# Altium PCB PCB_Kasli.PCBDOC (part 5 of 16)
Units mm, origin at the board's own origin, x right, y up, seen from the top; angles counter-clockwise.
Board outline 200.3 x 100 mm, 6 copper layers (TopLayer, MidLayer1, MidLayer2, SignalLayer1, Internal Plane 1, BottomLayer), stack 1.528 mm thick; 775 components, 636 nets, 3136 pads, 1724 vias.
Unrouted connection lines stored in the file: 7.
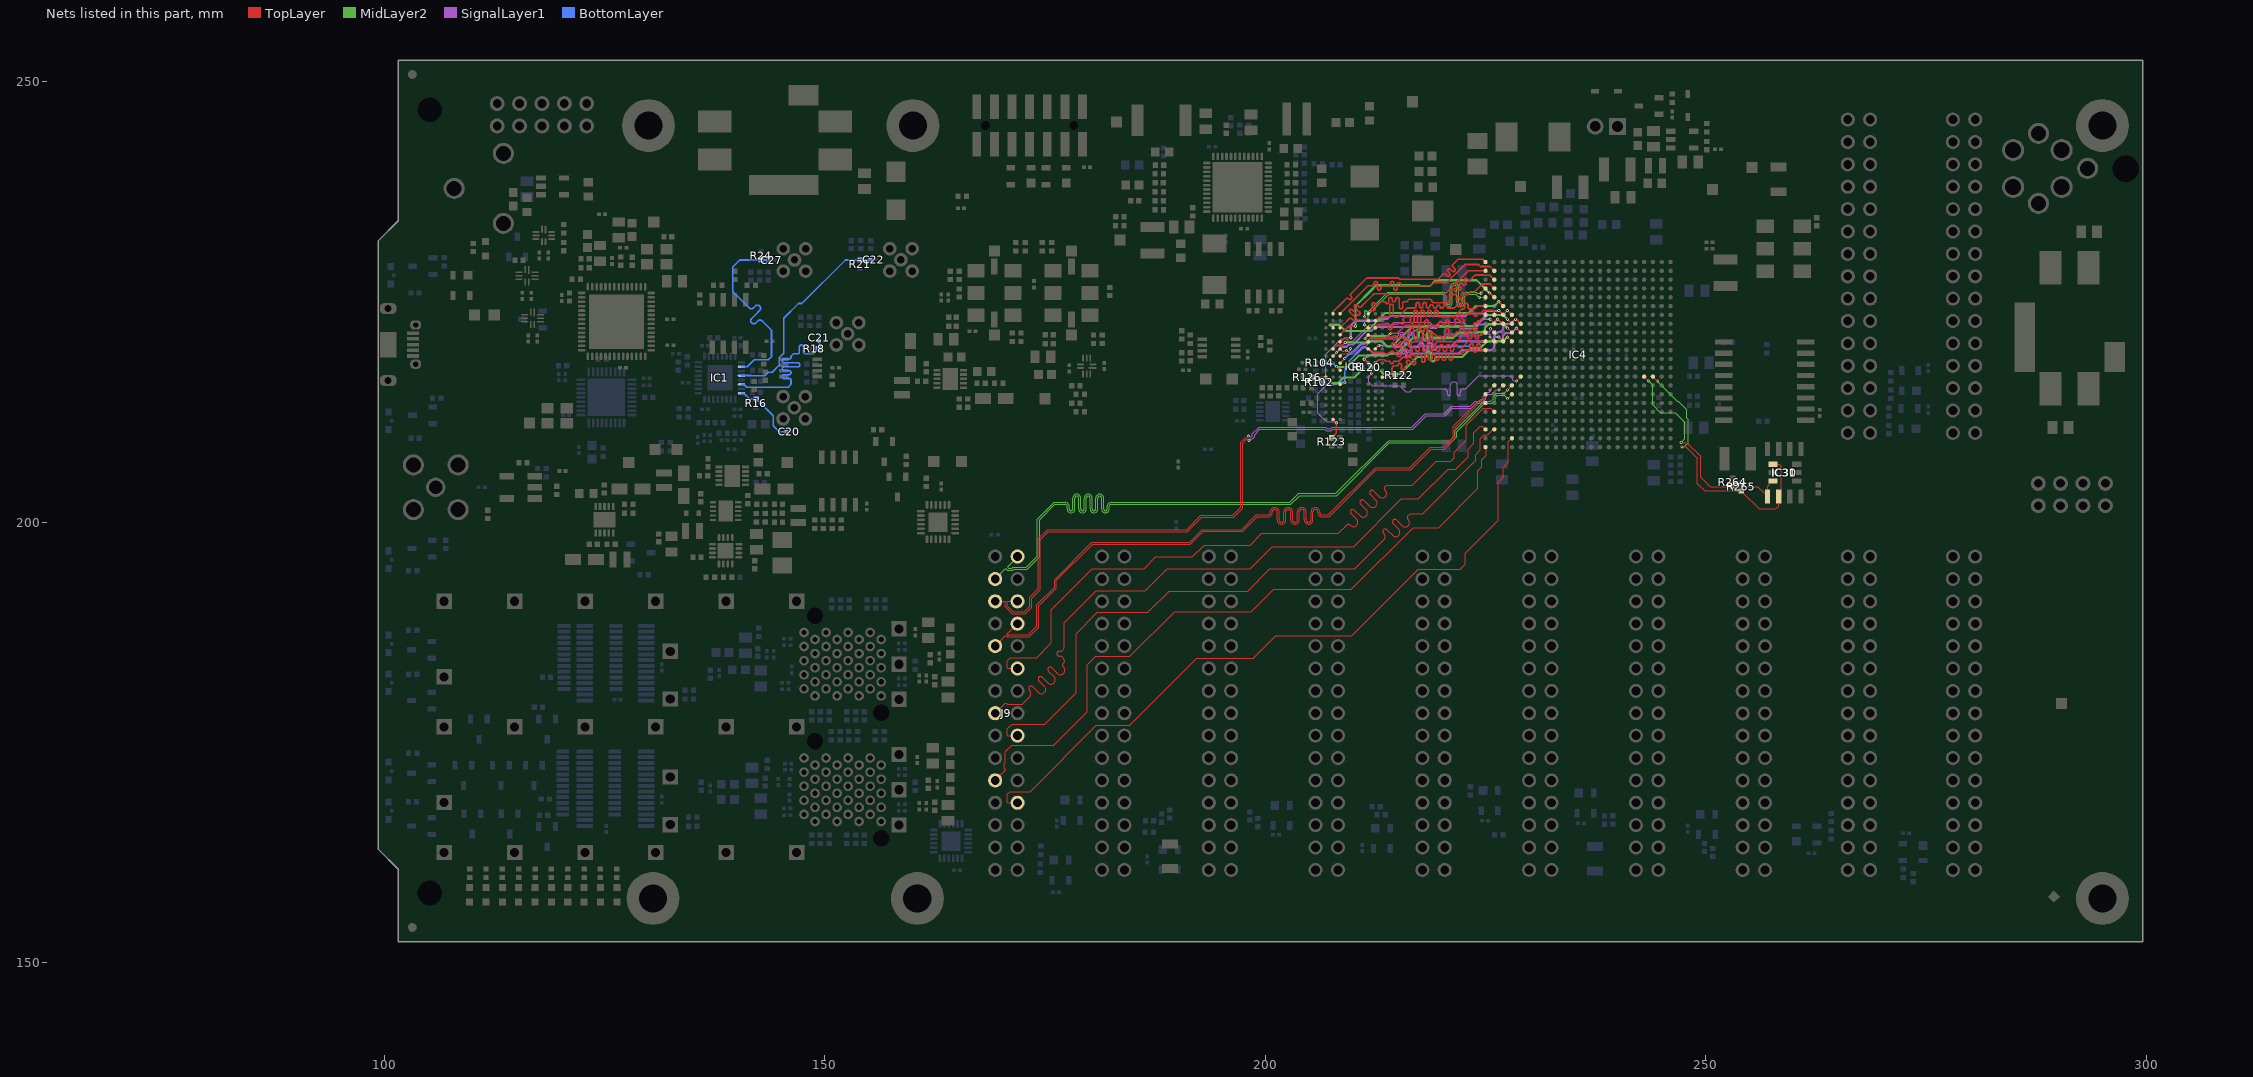
[diagram p9: the nets of this part, all layers, seen from the top]

## Via types
v1: diameter 0.5, hole 0.2, TopLayer to BottomLayer, tented both sides, 845 vias
v2: diameter 0.35, hole 0.15, TopLayer to BottomLayer, tented both sides, 612 vias
v3: diameter 0.8, hole 0.5, TopLayer to BottomLayer, tented both sides, 144 vias
v4: diameter 0.8, hole 0.5, TopLayer to BottomLayer, 66 vias
v5: diameter 0.5, hole 0.2, TopLayer to BottomLayer, 57 vias

## Nets (pads, with @x,y where several pads share a name; then routed paths per layer and width w, separated by ;. In a path a pad name is that pad's centre, name@x,y a point inside that pad or via, vN(x,y) a via of type N, cw(c..) or ccw(c..) an arc to the next point about the centre after c; other vN are vias at no path point) (continued)
DDR3_CK_P: IC4.P5 IC8.J7 R120.2 | length 25.1
  TopLayer w0.095: IC8.J7@211.686,217.249 211.691,217.249 212.065,216.875 v2(212.069,216.875) ; v2(228.491,216.015) IC4.P5@228.991,216.515
  SignalLayer1 w0.115: v2(212.069,216.875) 212.069,216.855 211.767,216.553 211.767,216.214 211.747,216.194 211.747,215.877 212.132,215.491 215.245,215.491 215.915,214.821 216.433,214.821 216.732,215.12 220.3,215.12 cw(c220.3,214.728) 220.692,214.728 220.692,214.502 ccw(c220.85,214.502) 221.007,214.502 221.007,215.503 cw(c221.4,215.503) 221.792,215.503 221.792,214.502 ccw(c221.95,214.502) 222.107,214.502 222.107,214.728 cw(c222.5,214.728) 222.5,215.12 222.732,215.12 222.956,215.344 223.094,215.481 223.95,216.338 224.245,216.632 227.333,216.632 227.869,216.632 228.11,216.391 228.11,216.112 228.178,216.045 228.461,216.045 v2(228.491,216.015)
  BottomLayer w0.095: v2(212.069,216.875) R120.2@212.069,217.52
DDR3_CKE: IC4.L1 IC8.K9 R122.2 | length 25.7
  TopLayer w0.19: IC8.K9@213.286,216.449 214.498,216.449 R122.2@214.724,216.675 214.369,217.03 214.369,217.532 214.588,217.75 214.875,217.75 215.016,217.75 ccw(c215.016,217.804) 215.07,217.804 cw(c215.265,217.804) 215.265,217.999 cw(c215.265,217.804) 215.46,217.804 215.46,217.75 215.46,217.364 ccw(c215.655,217.364) 215.655,217.169 ccw(c215.655,217.364) 215.85,217.364 215.85,217.555 cw(c216.045,217.555) 216.045,217.75 216.095,217.75 ccw(c215.957,217.888) 216.095,218.026 216.081,218.04 cw(c216.219,218.178) 216.081,218.316 cw(c216.219,218.178) 216.357,218.316 216.509,218.164 216.741,217.931 ccw(c216.879,218.069) 217.017,217.931 ccw(c216.879,218.069) 217.017,218.207 216.784,218.44 216.54,218.684 cw(c216.678,218.822) 216.54,218.96 cw(c216.678,218.822) 216.816,218.96 216.922,218.854 ccw(c217.06,218.991) 217.198,218.854 217.285,218.94 217.394,219.05 217.544,219.05 cw(c217.544,218.855) 217.739,218.855 217.739,218.335 ccw(c217.934,218.335) 217.934,218.14 ccw(c217.934,218.335) 218.129,218.335 218.129,218.855 cw(c218.324,218.855) 218.324,219.05 cw(c218.324,218.855) 218.519,218.855 218.519,218.556 ccw(c218.714,218.556) 218.714,218.361 ccw(c218.714,218.556) 218.909,218.556 218.909,218.855 cw(c219.104,218.855) 219.104,219.05 cw(c219.104,218.855) 219.299,218.855 219.299,218.564 ccw(c219.494,218.564) 219.494,218.369 ccw(c219.494,218.564) 219.689,218.564 219.689,218.855 cw(c219.884,218.855) 219.884,219.05 cw(c219.884,218.855) 220.079,218.855 220.079,218.564 ccw(c220.274,218.564) 220.274,218.369 ccw(c220.274,218.564) 220.469,218.564 220.469,218.855 cw(c220.664,218.855) 220.664,219.05 cw(c220.664,218.855) 220.859,218.855 220.859,218.574 ccw(c221.054,218.574) 221.054,218.379 ccw(c221.054,218.574) 221.249,218.574 221.249,218.855 cw(c221.444,218.855) 221.444,219.05 221.639,219.05 222.029,219.05 222.224,219.05 222.689,219.515 222.775,219.515 222.846,219.515 223.041,219.515 ccw(c223.041,219.71) 223.236,219.71 223.236,220.041 cw(c223.431,220.041) 223.431,220.236 cw(c223.431,220.041) 223.626,220.041 223.626,219.515 223.626,219.495 ccw(c223.821,219.495) 223.821,219.3 ccw(c223.821,219.495) 224.016,219.495 224.016,219.515 224.016,220.041 cw(c224.211,220.041) 224.211,220.236 cw(c224.211,220.041) 224.406,220.041 224.406,219.71 ccw(c224.601,219.71) 224.601,219.515 224.796,219.515 IC4.L1@224.991,219.515
DDR3_DQ0: IC4.G3 IC8.E3 | length 20.9
  TopLayer w0.19: IC8.E3@208.486,220.449 208.51,220.425 209.01,220.925 v2(209.694,220.925) ; v2(226.491,224.015) IC4.G3@226.991,223.515
  SignalLayer1 w0.24: v2(209.694,220.925) 209.694,222.304 210.235,222.845 213.059,222.845 213.243,223.029 213.818,223.029 214.164,223.375 215.35,223.375 221.725,223.375 222.671,223.375 222.965,223.669 224.861,223.669 225.138,223.946 v2@226.423,223.946
DDR3_DQ1: IC4.J1 IC8.F7 | length 23.2
  TopLayer w0.19: IC8.F7@211.686,219.649 212.095,219.241 213.455,219.241 213.63,219.066 213.978,219.066 214.116,219.203 214.254,219.341 cw(c214.392,219.203) 214.53,219.341 215.046,218.825 ccw(c215.184,218.963) 215.321,218.825 ccw(c215.184,218.963) 215.321,219.101 214.668,219.755 214.419,220.003 cw(c214.557,220.141) 214.419,220.279 cw(c214.557,220.141) 214.695,220.279 214.806,220.169 ccw(c214.943,220.306) 215.081,220.169 215.219,220.306 215.388,220.475 215.6,220.475 ccw(c215.6,220.67) 215.795,220.67 215.795,220.72 cw(c215.99,220.72) 215.99,220.915 cw(c215.99,220.72) 216.185,220.72 216.185,220.475 216.185,220.158 ccw(c216.38,220.158) 216.38,219.963 ccw(c216.38,220.158) 216.575,220.158 216.575,220.28 cw(c216.77,220.28) 216.77,220.475 216.965,220.475 217.05,220.475 217.475,220.475 217.636,220.475 ccw(c217.636,220.67) 217.831,220.67 217.831,221.082 cw(c218.026,221.082) 218.026,221.277 cw(c218.026,221.082) 218.221,221.082 218.221,220.67 ccw(c218.416,220.67) 218.416,220.475 ccw(c218.416,220.67) 218.611,220.67 218.611,221.043 cw(c218.806,221.043) 218.806,221.238 cw(c218.806,221.043) 219.001,221.043 219.001,220.475 219.001,220.373 ccw(c219.196,220.373) 219.196,220.178 ccw(c219.196,220.373) 219.391,220.373 cw(c219.493,220.373) 219.493,220.475 219.586,220.475 221.697,220.475 222.447,221.225 222.642,221.225 222.837,221.225 cw(c222.837,221.03) 223.032,221.03 223.032,220.989 ccw(c223.227,220.989) 223.227,220.794 ccw(c223.227,220.989) 223.422,220.989 223.422,221.225 223.422,221.261 cw(c223.617,221.261) 223.617,221.456 cw(c223.617,221.261) 223.812,221.261 223.812,221.225 223.812,220.989 ccw(c224.007,220.989) 224.007,220.794 ccw(c224.007,220.989) 224.202,220.989 224.202,221.03 cw(c224.397,221.03) 224.397,221.225 224.525,221.225 224.546,221.225 224.836,221.515 IC4.J1@224.991,221.515
DDR3_DQ2: IC4.H4 IC8.F2 | length 22.8
  TopLayer w0.19: IC8.F2@207.686,219.649 208.087,220.05 208.744,220.05 v2(209.069,220.375) ; v2(227.491,223.015) IC4.H4@227.991,222.515
  MidLayer2 w0.24: v2(209.069,220.375) 211.783,220.375 211.91,220.502 213.283,220.502 213.845,219.941 214.41,219.941 216.719,222.25 219.15,222.25 222.175,222.25 223.844,222.25 225.119,223.525 226.981,223.525 v2(227.491,223.015)
DDR3_DQ3: IC4.H5 IC8.F8 | length 21.4
  TopLayer w0.19: IC8.F8@212.486,219.649 v2(212.892,220.055) ; v2@228.491,223.015 IC4.H5@228.991,222.515
  SignalLayer1 w0.24: v2(212.892,220.055) 213.73,220.055 213.851,219.935 214.781,219.935 214.85,219.866 215.6,219.866 ccw(c215.6,220.106) 215.84,220.106 215.84,220.112 cw(c216.08,220.112) 216.08,220.352 cw(c216.08,220.112) 216.32,220.112 216.32,220.106 ccw(c216.56,220.106) 216.56,219.866 216.75,219.866 216.99,219.866 217.23,219.866 ccw(c217.23,220.106) 217.47,220.106 217.47,220.112 cw(c217.71,220.112) 217.71,220.352 cw(c217.71,220.112) 217.95,220.112 217.95,219.866 217.95,219.762 ccw(c218.19,219.762) 218.19,219.522 ccw(c218.19,219.762) 218.43,219.762 218.43,219.866 218.43,220.112 cw(c218.67,220.112) 218.67,220.352 cw(c218.67,220.112) 218.91,220.112 218.91,219.866 218.91,219.762 ccw(c219.15,219.762) 219.15,219.522 ccw(c219.15,219.762) 219.39,219.762 219.39,219.687 cw(c219.569,219.687) 219.569,219.866 220.375,219.866 221.06,219.866 221.725,220.531 224.8,220.531 225.636,220.531 225.978,220.872 225.978,221.13 226.293,221.446 226.417,221.57 226.676,221.57 227.009,221.903 227.009,222.162 227.342,222.495 227.865,222.495 228.316,222.946 v2@228.323,222.946
  other v2: 228.391,223.015
DDR3_DQ4: IC4.H2 IC8.H3 | length 22
  TopLayer w0.19: IC8.H3@208.486,218.049 208.489,218.049 209.001,218.56 v2(209.004,218.56) ; v2@225.571,222.935 IC4.H2@225.991,222.515
  BottomLayer w0.19: v2(209.004,218.56) 209.484,219.041 209.603,219.041 210.913,220.35 211.519,220.35 211.694,220.525 213.219,220.525 213.779,219.966 215.206,219.966 215.77,220.53 216.711,221.471 ; v2@225.481,223.025 224.669,223.025 223.859,222.215 218.508,222.215 ; 216.711,221.471 cw(c218.508,219.675) 218.508,222.215 ; 216.711,221.471 cw(c218.508,219.675) 218.508,222.215
  other v2: 225.519,223.025
DDR3_DQ5: IC4.K1 IC8.H8 | length 23.6
  TopLayer w0.19: IC8.H8@212.486,218.049 212.87,218.433 213.517,218.433 213.685,218.265 213.75,218.265 213.775,218.265 214.066,218.265 cw(c214.066,218.166) 214.165,218.166 ccw(c214.36,218.166) 214.36,217.971 ccw(c214.36,218.166) 214.555,218.166 cw(c214.655,218.166) 214.655,218.265 214.75,218.265 215.156,218.265 215.305,218.414 215.443,218.552 215.581,218.69 cw(c215.719,218.552) 215.856,218.69 215.871,218.675 ccw(c216.009,218.813) 216.147,218.675 ccw(c216.009,218.813) 216.147,218.951 215.994,219.104 215.341,219.758 cw(c215.478,219.896) 215.341,220.033 cw(c215.478,219.896) 215.616,220.033 216.27,219.38 216.331,219.319 ccw(c216.468,219.457) 216.606,219.319 ccw(c216.468,219.457) 216.606,219.595 cw(c216.667,219.655) 216.606,219.716 216.619,219.729 216.69,219.8 216.89,219.8 cw(c216.89,219.605) 217.085,219.605 217.085,219.566 ccw(c217.28,219.566) 217.28,219.371 ccw(c217.28,219.566) 217.475,219.566 217.475,219.8 217.475,219.946 cw(c217.67,219.946) 217.67,220.141 cw(c217.67,219.946) 217.865,219.946 217.865,219.8 217.865,219.58 ccw(c218.06,219.58) 218.06,219.385 ccw(c218.06,219.58) 218.255,219.58 218.255,219.8 218.255,219.946 cw(c218.45,219.946) 218.45,220.141 cw(c218.45,219.946) 218.645,219.946 218.645,219.8 218.645,219.58 ccw(c218.84,219.58) 218.84,219.385 ccw(c218.84,219.58) 219.035,219.58 219.035,219.8 cw(c219.135,219.8) 219.135,219.9 219.325,219.9 cw(c219.325,219.8) 219.425,219.8 219.425,219.58 ccw(c219.62,219.58) 219.62,219.385 ccw(c219.62,219.58) 219.815,219.58 219.815,219.8 219.815,219.945 cw(c220.01,219.945) 220.01,220.14 cw(c220.01,219.945) 220.205,219.945 220.205,219.8 220.205,219.58 ccw(c220.4,219.58) 220.4,219.385 ccw(c220.4,219.58) 220.595,219.58 220.595,219.8 220.595,219.945 cw(c220.79,219.945) 220.79,220.14 cw(c220.79,219.945) 220.985,219.945 220.985,219.8 220.985,219.58 ccw(c221.18,219.58) 221.18,219.385 ccw(c221.18,219.58) 221.375,219.58 221.375,219.8 221.375,219.995 cw(c221.57,219.995) 221.57,220.19 cw(c221.57,219.995) 221.765,219.995 ccw(c221.96,219.995) 221.96,219.8 222.155,219.8 222.35,219.8 223.065,220.515 IC4.K1@224.991,220.515
DDR3_DQ6: IC4.H3 IC8.G2 | length 21.4
  TopLayer w0.19: IC8.G2@207.686,218.849 v2(208.069,219.232) ; v2(226.369,223.025) 226.394,223.025 226.904,222.515 IC4.H3@226.991,222.515
  SignalLayer1 w0.24: v2(208.069,219.232) 208.743,219.906 209.229,219.906 209.48,220.156 209.976,220.156 211.531,221.711 212.056,221.711 212.475,222.131 215,222.131 218.475,222.131 218.688,222.131 218.773,222.046 219.429,222.046 219.539,222.156 222.001,222.156 222.175,221.981 223.821,221.981 224.285,222.445 225.789,222.445 v2@226.301,222.956
DDR3_DQ7: IC4.J5 IC8.H7 | length 21.4
  TopLayer w0.19: v2(211.219,218.479) 211.238,218.479 211.668,218.049 IC8.H7@211.686,218.049 ; v2(228.491,222.015) IC4.J5@228.991,221.515
  SignalLayer1 w0.24: v2(211.219,218.479) 211.712,218.972 213.92,218.972 214.079,219.13 215.25,219.13 215.3,219.13 ccw(c215.3,219.32) 215.49,219.32 cw(c215.73,219.32) 215.73,219.56 cw(c215.73,219.32) 215.97,219.32 215.97,219.13 215.97,218.983 ccw(c216.21,218.983) 216.21,218.743 ccw(c216.21,218.983) 216.45,218.983 ; 216.45,218.89 cw(c216.69,218.89) 216.69,219.13 216.75,219.13 221.925,219.13 222.301,219.506 225.626,219.506 225.978,219.858 225.978,220.13 226.135,220.288 226.417,220.57 226.676,220.57 226.991,220.886 226.991,221.144 227.307,221.46 227.936,221.46 v2@228.423,221.946
DDR3_DQ8: IC4.G1 IC8.D7 | length 23.6
  TopLayer w0.19: IC8.D7@211.686,221.249 212.03,220.906 212.287,220.906 212.327,220.865 212.725,220.865 212.92,220.865 213.31,220.865 213.659,220.865 ccw(c213.659,220.906) 213.7,220.906 cw(c213.895,220.906) 213.895,221.101 cw(c213.895,220.906) 214.09,220.906 ccw(c214.131,220.906) 214.131,220.865 214.394,220.865 ccw(c214.394,220.951) 214.48,220.951 cw(c214.675,220.951) 214.675,221.146 cw(c214.675,220.951) 214.87,220.951 ccw(c214.956,220.951) 214.956,220.865 215.125,220.865 215.465,220.865 216.125,221.525 216.15,221.525 216.264,221.525 ccw(c216.264,221.72) 216.459,221.72 216.459,221.846 cw(c216.654,221.846) 216.654,222.041 cw(c216.654,221.846) 216.849,221.846 216.849,221.525 216.849,220.949 ccw(c217.044,220.949) 217.044,220.754 ccw(c217.044,220.949) 217.239,220.949 217.239,221.525 217.239,221.846 cw(c217.434,221.846) 217.434,222.041 cw(c217.434,221.846) 217.629,221.846 217.629,221.72 ccw(c217.824,221.72) 217.824,221.525 ccw(c217.824,221.72) 218.019,221.72 218.019,221.846 cw(c218.214,221.846) 218.214,222.041 cw(c218.214,221.846) 218.409,221.846 218.409,221.72 ccw(c218.604,221.72) 218.604,221.525 218.799,221.525 218.994,221.525 219.444,221.075 219.639,221.075 219.903,221.075 cw(c219.903,220.949) 220.029,220.949 ccw(c220.224,220.949) 220.224,220.754 ccw(c220.224,220.949) 220.419,220.949 220.419,221.075 220.419,221.846 cw(c220.614,221.846) 220.614,222.041 cw(c220.614,221.846) 220.809,221.846 220.809,221.27 ccw(c221.004,221.27) 221.004,221.075 221.199,221.075 221.216,221.075 221.716,221.575 221.925,221.575 ccw(c221.925,221.77) 222.12,221.77 222.12,222.152 cw(c222.315,222.152) 222.315,222.347 cw(c222.315,222.152) 222.51,222.152 222.51,221.77 ccw(c222.705,221.77) 222.705,221.575 222.775,221.575 223.069,221.575 223.207,221.713 223.345,221.851 cw(c223.483,221.713) 223.621,221.851 223.728,221.744 ccw(c223.866,221.882) 224.004,221.744 ccw(c223.866,221.882) 224.004,222.019 223.759,222.264 223.726,222.297 cw(c223.864,222.435) 223.726,222.573 cw(c223.864,222.435) 224.002,222.573 ccw(c224.035,222.605) 224.067,222.573 224.122,222.628 224.991,223.497 IC4.G1@224.991,223.515
DDR3_DQ9: IC4.B1 IC8.C3 | length 23.5
  TopLayer w0.19: IC8.C3@208.486,222.049 209.262,222.825 209.397,222.959 209.531,223.094 cw(c209.665,222.959) 209.8,223.094 210.06,222.834 ccw(c210.194,222.968) 210.328,222.834 ccw(c210.194,222.968) 210.328,223.103 209.934,223.497 209.606,223.825 cw(c209.74,223.96) 209.606,224.094 cw(c209.74,223.96) 209.874,224.094 210.203,223.765 210.435,223.534 ccw(c210.569,223.668) 210.704,223.534 ccw(c210.569,223.668) 210.704,223.802 210.472,224.034 210.143,224.363 cw(c210.277,224.497) 210.143,224.631 cw(c210.277,224.497) 210.412,224.631 210.606,224.437 ccw(c210.74,224.572) 210.875,224.437 211.191,224.753 212.219,225.781 212.362,225.925 212.725,225.925 213.975,225.925 220.444,225.925 223.044,228.525 224.981,228.525 IC4.B1@224.991,228.515
DDR3_DQ10: IC4.F1 IC8.C8 | length 23.2
  TopLayer w0.19: IC8.C8@212.486,222.049 212.878,222.441 213.4,222.441 213.595,222.441 cw(c213.731,222.441) 213.731,222.577 213.849,222.577 cw(c213.849,222.441) 213.985,222.441 213.985,222.043 ccw(c214.18,222.043) 214.18,221.848 ccw(c214.18,222.043) 214.375,222.043 214.375,222.246 cw(c214.57,222.246) 214.57,222.441 214.765,222.441 214.875,222.441 215.019,222.441 215.125,222.547 cw(c215.263,222.409) 215.401,222.547 215.414,222.533 ccw(c215.552,222.671) 215.69,222.533 ccw(c215.552,222.671) 215.69,222.809 215.677,222.822 cw(c215.815,222.96) 215.677,223.098 215.899,223.32 216.094,223.32 216.289,223.32 cw(c216.289,223.125) 216.484,223.125 216.484,222.793 ccw(c216.679,222.793) 216.679,222.598 ccw(c216.679,222.793) 216.874,222.793 216.874,223.32 216.874,223.845 cw(c217.069,223.845) 217.069,224.04 cw(c217.069,223.845) 217.264,223.845 217.264,223.32 217.264,222.793 ccw(c217.459,222.793) 217.459,222.598 ccw(c217.459,222.793) 217.654,222.793 217.654,223.32 217.654,223.845 cw(c217.849,223.845) 217.849,224.04 cw(c217.849,223.845) 218.044,223.845 218.044,223.515 ccw(c218.239,223.515) 218.239,223.32 ccw(c218.239,223.515) 218.434,223.515 218.434,223.843 cw(c218.629,223.843) 218.629,224.038 cw(c218.629,223.843) 218.824,223.843 218.824,223.515 ccw(c219.019,223.515) 219.019,223.32 ccw(c219.019,223.515) 219.214,223.515 219.214,223.834 cw(c219.409,223.834) 219.409,224.029 cw(c219.409,223.834) 219.604,223.834 219.604,223.515 ccw(c219.799,223.515) 219.799,223.32 ; 219.8,223.32 221.435,223.32 222.295,224.18 222.425,224.18 ccw(c222.425,224.375) 222.62,224.375 222.62,224.644 cw(c222.815,224.644) 222.815,224.839 cw(c222.815,224.644) 223.01,224.644 223.01,224.375 ccw(c223.205,224.375) 223.205,224.18 223.375,224.18 223.787,224.18 224.122,224.515 IC4.F1@224.991,224.515
DDR3_DQ11: IC4.F3 IC8.C2 | length 22
  TopLayer w0.19: v2(207.344,222.391) IC8.C2@207.686,222.049 ; v2(226.491,225.015) IC4.F3@226.991,224.515
  MidLayer2 w0.24: v2(207.344,222.391) 208.403,222.391 209.119,221.675 211.569,221.675 213.619,223.725 215.525,223.725 218.368,223.725 223.116,223.725 223.916,224.525 226.001,224.525 v2(226.491,225.015)
DDR3_DQ12: IC4.C2 IC8.A7 | length 23.7
  TopLayer w0.19: IC8.A7@211.686,223.649 211.824,223.787 212.08,224.043 cw(c212.1,224.023) 212.12,224.043 ccw(c212.258,224.181) 212.396,224.043 ccw(c212.258,224.181) 212.396,224.319 212.376,224.338 212.151,224.564 cw(c212.288,224.702) 212.151,224.839 cw(c212.288,224.702) 212.426,224.839 212.514,224.752 ccw(c212.652,224.89) 212.789,224.752 212.927,224.89 213.049,225.012 213.244,225.012 213.615,225.012 cw(c213.615,224.993) 213.634,224.993 ccw(c213.829,224.993) 213.829,224.798 ccw(c213.829,224.993) 214.024,224.993 214.024,225.012 214.024,225.29 cw(c214.219,225.29) 214.219,225.485 cw(c214.219,225.29) 214.414,225.29 214.414,225.207 ccw(c214.609,225.207) 214.609,225.012 ccw(c214.609,225.207) 214.804,225.207 214.804,225.29 cw(c214.999,225.29) 214.999,225.485 cw(c214.999,225.29) 215.194,225.29 215.194,225.012 215.194,224.401 ccw(c215.389,224.401) 215.389,224.206 ccw(c215.389,224.401) 215.584,224.401 215.584,224.817 cw(c215.779,224.817) 215.779,225.012 215.974,225.012 216.05,225.012 216.313,225.275 218.706,225.275 219.076,224.905 220.687,224.905 220.945,225.163 221.072,225.289 ccw(c220.934,225.427) 221.072,225.565 220.966,225.671 cw(c221.103,225.809) 220.966,225.947 cw(c221.103,225.809) 221.241,225.947 221.347,225.841 ccw(c221.485,225.979) 221.623,225.841 ccw(c221.485,225.979) 221.623,226.117 221.517,226.223 cw(c221.655,226.361) 221.517,226.499 cw(c221.655,226.361) 221.793,226.499 221.899,226.393 ccw(c222.037,226.53) 222.175,226.393 ccw(c222.037,226.53) 222.175,226.668 222.069,226.774 cw(c222.206,226.912) 222.069,227.05 cw(c222.206,226.912) 222.344,227.05 222.451,226.944 ccw(c222.588,227.082) 222.726,226.944 ccw(c222.588,227.082) 222.726,227.22 222.62,227.326 cw(c222.758,227.464) 222.62,227.602 cw(c222.758,227.464) 222.896,227.602 223.002,227.496 ccw(c223.14,227.633) 223.278,227.496 223.416,227.633 223.554,227.771 223.817,228.035 224.778,228.035 224.788,228.025 225.481,228.025 IC4.C2@225.991,227.515
DDR3_DQ13: IC4.A1 IC8.A2 | length 22.8
  TopLayer w0.19: IC8.A2@207.686,223.649 207.686,223.867 208.894,225.075 209.032,225.213 209.17,225.351 cw(c209.308,225.213) 209.446,225.351 209.482,225.315 ccw(c209.62,225.453) 209.758,225.315 ccw(c209.62,225.453) 209.758,225.59 209.722,225.627 cw(c209.86,225.764) 209.722,225.902 209.819,226 211.519,227.7 212.1,227.7 213.875,227.7 215.119,227.7 215.269,227.55 217.175,227.55 219.594,227.55 219.91,227.865 220.048,228.003 220.185,228.141 cw(c220.323,228.003) 220.461,228.141 220.663,227.939 ccw(c220.801,228.077) 220.939,227.939 ccw(c220.801,228.077) 220.939,228.215 220.737,228.417 cw(c220.875,228.555) 220.737,228.693 cw(c220.875,228.555) 221.013,228.693 221.215,228.491 ccw(c221.353,228.628) 221.491,228.491 ccw(c221.353,228.628) 221.491,228.766 221.289,228.968 cw(c221.426,229.106) 221.289,229.244 221.426,229.382 221.622,229.578 221.869,229.825 221.875,229.825 224.681,229.825 IC4.A1@224.991,229.515
DDR3_DQ14: IC4.D2 IC8.B8 | length 24
  TopLayer w0.19: IC8.B8@212.486,222.849 212.902,223.265 213.445,223.265 213.461,223.281 213.735,223.281 213.93,223.281 ccw(c213.93,223.476) 214.125,223.476 214.125,224.538 cw(c214.32,224.538) 214.32,224.733 cw(c214.32,224.538) 214.515,224.538 214.515,223.476 ccw(c214.71,223.476) 214.71,223.281 214.905,223.281 215.1,223.281 215.894,224.075 ; 215.747,223.928 215.894,224.075 ; 221.865,224.501 ccw(c222.003,224.639) 222.141,224.501 ccw(c222.003,224.639) 222.141,224.777 222.028,224.889 221.736,225.182 cw(c221.874,225.32) 221.736,225.457 cw(c221.874,225.32) 222.012,225.457 222.304,225.165 222.318,225.151 ccw(c222.456,225.289) 222.594,225.151 ccw(c222.456,225.289) 222.594,225.427 222.58,225.441 222.287,225.733 cw(c222.425,225.871) 222.287,226.009 cw(c222.425,225.871) 222.563,226.009 222.718,225.854 ccw(c222.856,225.992) 222.994,225.854 223.132,225.992 223.269,226.13 223.737,226.13 224.622,227.015 225.491,227.015 IC4.D2@225.991,226.515 ; 221.891,224.475 ccw(c221.753,224.337) 221.615,224.475 221.477,224.337 221.439,224.3 221.2,224.3 221.005,224.3 220.746,224.3 cw(c220.746,224.431) 220.615,224.431 ccw(c220.42,224.431) 220.42,224.626 ccw(c220.42,224.431) 220.225,224.431 cw(c220.094,224.431) 220.094,224.3 219.966,224.3 cw(c219.966,224.431) 219.835,224.431 ccw(c219.64,224.431) 219.64,224.626 ccw(c219.64,224.431) 219.445,224.431 cw(c219.314,224.431) 219.314,224.3 219.238,224.3 cw(c219.238,224.483) 219.055,224.483 ccw(c218.86,224.483) 218.86,224.678 ccw(c218.86,224.483) 218.665,224.483 cw(c218.482,224.483) 218.482,224.3 218.47,224.3 cw(c218.47,224.495) 218.275,224.495 218.275,224.729 ccw(c218.08,224.729) 218.08,224.924 ccw(c218.08,224.729) 217.885,224.729 217.885,224.495 cw(c217.69,224.495) 217.69,224.3 cw(c217.69,224.495) 217.495,224.495 217.495,224.729 ccw(c217.3,224.729) 217.3,224.924 ccw(c217.3,224.729) 217.105,224.729 217.105,224.495 cw(c216.91,224.495) 216.91,224.3 216.715,224.3 216.475,224.3 216.119,224.3 215.894,224.075
DDR3_DQ15: IC4.B2 IC8.A3 | length 23.8
  TopLayer w0.19: IC8.A3@208.486,223.649 211.662,226.825 212.15,226.825 ccw(c212.15,227.02) 212.345,227.02 212.345,227.106 cw(c212.54,227.106) 212.54,227.301 cw(c212.54,227.106) 212.735,227.106 212.735,226.825 212.735,226.519 ccw(c212.93,226.519) 212.93,226.324 ccw(c212.93,226.519) 213.125,226.519 213.125,226.63 cw(c213.32,226.63) 213.32,226.825 213.515,226.825 213.619,226.825 213.814,226.825 214.009,226.825 ccw(c214.009,227.02) 214.204,227.02 214.204,227.106 cw(c214.399,227.106) 214.399,227.301 cw(c214.399,227.106) 214.594,227.106 214.594,226.825 214.594,226.519 ccw(c214.789,226.519) 214.789,226.324 ccw(c214.789,226.519) 214.984,226.519 214.984,226.825 214.984,226.965 cw(c215.179,226.965) 215.179,227.16 cw(c215.179,226.965) 215.374,226.965 ; 215.374,226.965 215.374,227.02 ccw(c215.569,227.02) 215.569,226.825 216.575,226.825 217.294,226.825 218.744,226.825 ; 218.86,226.94 218.744,226.825 ; IC4.B2@225.991,228.515 225.491,229.015 224.419,229.015 224.209,229.225 222.619,229.225 220.594,227.2 219.119,227.2 218.744,226.825
DDR3_LDM: IC4.G2 IC8.E7 | length 22.8
  TopLayer w0.19: v2(211.319,220.85) 211.319,220.816 IC8.E7@211.686,220.449 ; v2(214.225,221.425) 214.975,221.425 215.869,222.319 217.225,222.319 217.734,222.319 217.929,222.319 ccw(c217.929,222.514) 218.124,222.514 218.124,222.771 cw(c218.319,222.771) 218.319,222.966 cw(c218.319,222.771) 218.514,222.771 218.514,222.319 218.514,222.296 ccw(c218.709,222.296) 218.709,222.101 ccw(c218.709,222.296) 218.904,222.296 cw(c218.927,222.296) 218.927,222.319 219.247,222.319 cw(c219.247,222.272) 219.294,222.272 219.294,222.319 ccw(c219.489,222.319) 219.489,222.124 ccw(c219.489,222.319) 219.684,222.319 219.684,222.576 cw(c219.879,222.576) 219.879,222.771 cw(c219.879,222.576) 220.074,222.576 220.074,222.514 ccw(c220.269,222.514) 220.269,222.319 ccw(c220.269,222.514) 220.464,222.514 220.464,222.771 cw(c220.659,222.771) 220.659,222.966 cw(c220.659,222.771) 220.854,222.771 220.854,222.514 ccw(c221.049,222.514) 221.049,222.319 221.244,222.319 221.439,222.319 221.597,222.478 ccw(c221.459,222.616) 221.597,222.754 221.562,222.789 cw(c221.7,222.927) 221.562,223.065 cw(c221.7,222.927) 221.838,223.065 222.011,222.891 222.22,222.682 ccw(c222.358,222.82) 222.496,222.682 ccw(c222.358,222.82) 222.496,222.958 222.287,223.167 222.12,223.334 cw(c222.257,223.472) 222.12,223.61 cw(c222.257,223.472) 222.395,223.61 222.425,223.581 ccw(c222.562,223.719) 222.7,223.581 222.789,223.67 223.094,223.67 223.253,223.67 ccw(c223.253,223.706) 223.289,223.706 cw(c223.484,223.706) 223.484,223.901 cw(c223.484,223.706) 223.679,223.706 223.679,223.67 223.679,223.556 ccw(c223.874,223.556) 223.874,223.361 ccw(c223.874,223.556) 224.069,223.556 cw(c224.184,223.556) 224.184,223.67 224.439,223.67 224.794,224.025 225.844,224.025 225.991,223.878 IC4.G2@225.991,223.515
  MidLayer2 w0.24: v2(211.319,220.85) 211.569,221.1 213.894,221.1 v2@214.119,221.326
DDR3_LDQS_N: IC4.J2 IC8.G3 | length 21.1
  TopLayer w0.095: IC8.G3@208.486,218.849 208.726,219.089 209.074,219.089 209.075,219.088 209.383,219.088 209.602,219.306 209.602,219.538 ; v2(225.556,221.95) IC4.J2@225.991,221.515
  SignalLayer1 w0.115: v2(209.679,219.711) 209.685,219.705 209.685,219.455 209.781,219.359 210.126,219.359 210.974,220.206 211.276,220.206 211.917,220.847 212.111,221.041 214.505,221.041 214.63,220.916 214.9,220.916 ccw(c214.9,221.074) 215.057,221.074 215.057,221.124 cw(c215.45,221.124) 215.843,221.124 215.843,221.074 ccw(c216,221.074) 216.158,221.074 216.158,221.124 cw(c216.55,221.124) 216.943,221.124 216.943,221.074 ccw(c217.1,221.074) 217.1,220.916 220.161,220.916 220.617,221.372 224.1,221.372 224.327,221.6 225.457,221.6 225.524,221.667 225.524,221.917 v2(225.556,221.95)
DDR3_LDQS_P: IC4.K2 IC8.F3 | length 20.8
  TopLayer w0.095: IC8.F3@208.486,219.649 208.726,219.409 208.928,219.409 208.98,219.461 v2(209.229,219.461) ; v2(225.491,221.015) IC4.K2@225.991,220.515
  SignalLayer1 w0.115: v2@209.228,219.488 209.228,219.483 v2@209.24,219.471 ; v2(209.229,219.461) 209.274,219.416 209.391,219.416 209.683,219.124 210.224,219.124 211.071,219.971 211.373,219.971 212.083,220.681 212.208,220.806 214.407,220.806 214.532,220.681 214.9,220.681 ccw(c214.9,221.074) 215.293,221.074 215.293,221.124 cw(c215.45,221.124) 215.608,221.124 215.608,221.074 ccw(c216,221.074) 216.393,221.074 216.393,221.124 cw(c216.55,221.124) 216.708,221.124 216.708,221.074 ccw(c217.1,221.074) 217.1,220.681 220.311,220.681 220.767,221.137 224.197,221.137 224.287,221.227 224.425,221.365 225.457,221.365 225.524,221.298 225.524,221.048 v2(225.491,221.015)
DDR3_ODT: IC4.K4 IC8.K1 R126.2 | length 27.6
  TopLayer w0.19: R126.2@205.239,216.45 IC8.K1@206.878,216.45 ; IC8.K1@206.885,216.45 IC8.K1@206.878,216.45 ; IC8.K1@206.886,216.449 206.886,216.458 IC8.K1@206.878,216.45 ; v2(207.304,216.085) 207.193,216.085 206.858,216.42 206.853,216.425 IC8.K1@206.878,216.45 ; v2(227.491,221.015) IC4.K4@227.991,220.515
  MidLayer2 w0.24: v2(207.304,216.085) 207.634,215.755 208.225,215.755 208.869,216.4 210.069,216.4 210.989,217.32 212.254,217.32 212.358,217.215 213.003,217.215 213.419,216.8 215.294,216.8 217.219,218.725 218.075,218.725 ccw(c218.075,218.965) 218.315,218.965 218.315,219.164 cw(c218.555,219.164) 218.555,219.404 cw(c218.555,219.164) 218.795,219.164 218.795,218.725 218.795,218.486 ccw(c219.035,218.486) 219.035,218.246 ccw(c219.035,218.486) 219.275,218.486 ; 219.275,218.485 cw(c219.515,218.485) 219.515,218.725 219.975,218.725 222.319,218.725 223.357,219.762 224.407,219.762 225.175,220.531 227.007,220.531 v2(227.491,221.015)
DDR3_RAS_N: IC4.J4 IC8.J3 R104.1 | length 27.4
  TopLayer w0.19: v2(208.079,217.635) 208.089,217.635 208.476,217.249 IC8.J3@208.486,217.249 ; v2(227.491,222.015) IC4.J4@227.991,221.515
  MidLayer2 w0.24: v2(208.079,217.635) 208.109,217.605 209.329,217.605 210.648,218.924 213.872,218.924 214.098,219.15 214.994,219.15 216.769,220.925 217.175,220.925 ccw(c217.175,221.165) 217.415,221.165 217.415,221.424 cw(c217.655,221.424) 217.655,221.664 cw(c217.655,221.424) 217.895,221.424 217.895,220.925 217.895,220.851 ccw(c218.135,220.851) 218.135,220.611 ccw(c218.135,220.851) 218.375,220.851 218.375,220.925 218.375,221.424 cw(c218.615,221.424) 218.615,221.664 cw(c218.615,221.424) 218.855,221.424 218.855,221.165 ccw(c219.095,221.165) 219.095,220.925 219.394,220.925 221.344,220.925 221.919,221.5 224.094,221.5 224.149,221.555 224.654,221.555 224.914,221.816 224.914,222.02 225.369,222.475 227.031,222.475 v2(227.491,222.015)
  BottomLayer w0.19: R104.1@206.664,218.075 206.784,217.955 207.748,217.955 208.068,217.635 v2(208.079,217.635)
DDR3_RESET_N: IC4.G4 IC8.T2 R123.2 | length 36.1
  TopLayer w0.19: R123.2@207.519,209.57 208.06,210.111 208.06,211.275 IC8.T2@207.686,211.649 ; v2@227.466,224 v2(227.455,224.011) 227.496,224.011 IC4.G4@227.991,223.515
  SignalLayer1 w0.1: v2@208.001,211.206 207.801,211.406 206.951,211.406 205.976,212.381 205.976,214.556 206.874,215.454 206.874,219.029 208.626,220.781 209.194,220.781 209.425,220.55 209.919,220.55 210.197,220.828 211.326,221.956 211.356,221.956 211.817,222.417 214.366,222.417 214.655,222.706 218.68,222.706 219.022,222.364 219.395,222.364 219.737,222.706 222.451,222.706 222.826,222.331 223.65,222.331 224.25,222.931 224.701,222.931 225.251,223.481 226.925,223.481 v2@227.386,223.942
  other v2: 208.069,211.275
DDR3_UDM: IC4.E2 IC8.D3 | length 22.3
  TopLayer w0.19: IC8.D3@208.486,221.249 209.462,222.225 v2(210.244,222.225) ; v2@225.441,225.975 v2(225.43,225.986) 225.521,225.986 IC4.E2@225.991,225.515
  MidLayer2 w0.24: v2(210.244,222.225) 210.244,224.525 210.272,224.553 212.06,226.34 212.594,226.875 217.497,226.875 217.592,226.78 218.649,226.78 219.314,227.445 223.983,227.445 225.43,225.998 v2(225.43,225.986)
DDR3_UDQS_N: IC4.D1 IC8.B7 | length 23.1
  TopLayer w0.095: v2(211.279,223.311) 211.279,223.256 IC8.B7@211.686,222.849 ; v2(224.494,225.975) 224.451,225.975 IC4.D1@224.991,226.515
  MidLayer2 w0.115: v2(211.279,223.311) 211.279,223.485 ccw(c211.168,223.596) 211.279,223.707 211.268,223.718 cw(c211.38,223.83) 211.268,223.941 cw(c211.38,223.83) 211.491,223.941 211.502,223.93 ccw(c211.613,224.042) 211.725,223.93 ; 211.969,224.175 211.836,224.042 211.725,223.93 ; v2(224.494,225.975) 224.469,226 224.052,226 223.959,226.093 222.869,226.093 ccw(c222.869,225.625) 222.402,225.625 222.402,224.93 cw(c222.169,224.93) 222.169,224.697 cw(c222.169,224.93) 221.937,224.93 221.937,226.62 ccw(c221.469,226.62) 221.469,227.088 ccw(c221.469,226.62) 221.002,226.62 221.002,224.93 cw(c220.769,224.93) 220.769,224.697 cw(c220.769,224.93) 220.537,224.93 220.537,225.625 ccw(c220.069,225.625) 220.069,226.093 213.887,226.093 211.725,223.93
DDR3_UDQS_P: IC4.E1 IC8.C7 | length 22.7
  TopLayer w0.095: v2(211.269,222.4) 211.335,222.4 IC8.C7@211.686,222.049 ; v2(224.294,225.5) 224.302,225.507 224.984,225.507 IC4.E1@224.991,225.515
  MidLayer2 w0.115: v2(211.269,222.4) 211.269,222.76 211.662,223.152 211.662,223.535 213.984,225.858 220.069,225.858 cw(c220.069,225.625) 220.302,225.625 220.302,224.93 ccw(c220.769,224.93) 220.769,224.462 ccw(c220.769,224.93) 221.237,224.93 221.237,226.62 cw(c221.469,226.62) 221.469,226.853 cw(c221.469,226.62) 221.702,226.62 221.702,224.93 ccw(c222.169,224.93) 222.169,224.462 ccw(c222.169,224.93) 222.637,224.93 222.637,225.625 cw(c222.869,225.625) 222.869,225.858 223.862,225.858 224.219,225.5 v2(224.294,225.5)
DDR3_WE_N: IC4.K3 IC8.L3 R102.1 | length 25.2
  TopLayer w0.19: IC8.L3@208.486,215.649 208.527,215.689 208.811,215.689 208.986,215.864 v2(209.029,215.864) ; v2(226.491,221.015) IC4.K3@226.991,220.515
  BottomLayer w0.19: R102.1@206.614,215.65 208.063,215.65 208.276,215.864 v2(209.029,215.864) 209.029,217.341 209.564,217.876 209.564,218.303 211.05,219.789 211.655,219.789 212.379,219.066 213.978,219.066 214.028,219.115 216.035,219.115 216.869,219.95 223.064,219.95 223.619,220.506 225.611,220.506 226.121,221.015 v2(226.491,221.015)
EEM_CLK_OUT0: C20.1 IC1.24 R16.1 | length 7.6
  BottomLayer w0.19: IC1.24@140.55,214.628 140.825,214.628 141.483,213.97 R16.1@142.25,213.97 142.27,213.97 144.175,212.065 144.175,210.925 144.85,210.25 C20.1@145.65,210.25
EEM_CLK_OUT1: C21.1 IC1.22 R18.1 | length 21.9
  BottomLayer w0.19: IC1.22@140.55,215.628 140.825,215.628 141.148,215.305 145.85,215.305 146.175,215.63 146.175,215.852 146.175,216.074 ccw(c145.953,216.074) 145.953,216.296 145.397,216.296 cw(c145.397,216.518) 145.175,216.518 cw(c145.397,216.518) 145.397,216.74 145.953,216.74 ccw(c145.953,216.962) 146.175,216.962 ccw(c145.953,216.962) 145.953,217.184 145.397,217.184 cw(c145.397,217.406) 145.175,217.406 cw(c145.397,217.406) 145.397,217.628 146.175,217.628 146.953,217.628 ccw(c146.953,217.85) 147.175,217.85 ccw(c146.953,217.85) 146.953,218.072 146.175,218.072 145.397,218.072 cw(c145.397,218.294) 145.175,218.294 cw(c145.397,218.294) 145.397,218.516 145.953,218.516 ccw(c145.953,218.738) 146.175,218.738 146.175,218.825 146.456,219.106 146.678,219.106 146.9,219.106 ccw(c146.9,219.328) 147.122,219.328 147.122,219.884 cw(c147.344,219.884) 147.344,220.106 cw(c147.344,219.884) 147.566,219.884 147.566,219.328 ccw(c147.788,219.328) 147.788,219.106 147.925,219.106 148.3,219.106 148.306,219.1 148.7,219.1 149.375,219.775 C21.1@149.375,220.55
EEM_CLK_OUT2: C22.1 IC1.20 R21.1 | length 22.9
  BottomLayer w0.19: IC1.20@140.55,216.628 141.668,216.628 141.691,216.605 143.205,216.605 143.6,217 144.025,217 144.85,217.825 144.85,218.675 145.35,219.175 145.35,223.125 147.025,224.8 147.4,224.8 152.35,229.75 C22.1@155.2,229.75
EEM_CLK_OUT3: C27.1 IC1.18 R24.1 | length 23.3
  BottomLayer w0.19: IC1.18@140.55,217.628 141.203,217.628 142,218.425 143.6,218.425 143.95,218.775 143.95,221.775 142.9,222.825 ccw(c142.653,222.578) 142.406,222.825 142.193,222.611 cw(c141.946,222.858) 141.699,222.611 cw(c141.946,222.858) 141.699,223.105 142.16,223.565 142.62,224.026 ccw(c142.373,224.272) 142.62,224.519 ccw(c142.373,224.272) 142.126,224.519 141.913,224.306 cw(c141.666,224.552) 141.419,224.306 140.162,225.563 139.575,226.15 139.575,228.95 140.369,229.744 142.25,229.744 C27.1@143.631,229.744
EEPROM_I2C_SCL: IC4.P20 IC30.1 IC31.6 R265.1 | length 31.5
  TopLayer w0.125: IC4.P20@243.991,216.515 v2(244.5,216.006) ; v2(247.293,208.534) 247.691,208.534 249,207.225 249,204.375 249.845,203.53 R265.1@254,203.53 254.02,203.53 254.247,203.303 254.247,203.283 256.03,201.5 257.95,201.5 258.265,201.815 IC31.6@258.265,202.9 258.265,203.375 258.55,203.66 258.55,206.325 258.3,206.575 IC30.1@257.625,206.575
  MidLayer2 w0.125: v2(244.5,216.006) 246.769,213.737 246.855,213.737 247.85,212.742 247.85,211.8 248,211.65 248,209 247.544,208.544 247.303,208.544 v2(247.293,208.534) v2@247.293,208.543
EEPROM_I2C_SDA: IC4.P19 IC30.3 IC31.5 R264.1 | length 26
  TopLayer w0.125: IC4.P19@242.991,216.515 v2(243.492,216.015) ; v2(247.2,209.025) 247.85,209.025 249.425,207.45 249.425,205.075 250.47,204.03 253.25,204.03 253.251,204.029 255.866,204.029 256.581,203.314 256.758,203.314 256.995,203.077 256.995,204.045 257.211,204.261 257.211,204.438 IC30.3@257.448,204.675
  TopLayer w0.2: v2(243.492,216.015) v2@243.5,216.006
  MidLayer2 w0.125: v2(243.492,216.015) 243.95,215.556 243.95,213.3 244.825,212.425 246.525,212.425 247.625,211.325 247.625,209.45 v2(247.2,209.025)
EXT0.LVDS_N0: IC4.T4 J9.3 | length 81.7
  TopLayer w0.095: v2(227.491,214.015) IC4.T4@227.991,214.515
  MidLayer2 w0.115: J9.3@169.346,193.548 170.485,194.687 170.58,194.687 170.716,194.551 171.322,194.551 171.427,194.656 172.988,194.656 174.375,196.043 174.375,200.248 176.127,202 177.303,202 cw(c177.303,201.792) 177.51,201.792 177.51,201.503 ccw(c177.953,201.503) 178.395,201.503 178.395,202.731 cw(c178.603,202.731) 178.81,202.731 178.81,201.503 ccw(c179.253,201.503) 179.695,201.503 179.695,202.731 cw(c179.903,202.731) 180.11,202.731 180.11,201.503 ccw(c180.553,201.503) 180.995,201.503 180.995,202.731 cw(c181.203,202.731) 181.41,202.731 181.41,201.503 ccw(c181.853,201.503) 182.295,201.503 182.295,201.792 cw(c182.503,201.792) 182.503,202 202.873,202 203.889,203.016 208.099,203.016 214.085,209.001 221.035,209.001 221.708,209.674 221.708,210.252 224.921,213.464 225.709,213.464 225.96,213.715 226.097,213.853 226.097,214.144 226.204,214.25 226.211,214.258 ; v2(227.491,214.015) 227.109,214.397 226.815,214.397 226.786,214.368 226.322,214.368 226.265,214.312 ; 226.211,214.258 226.265,214.312 ; 226.211,214.258 226.265,214.312
EXT0.LVDS_N1: IC4.R2 J9.6 | length 76.7
  TopLayer w0.095: J9.6@171.886,191.008 170.781,191.008 170.726,190.952 170.726,190.472 171.398,189.8 172.65,189.8 173.275,190.425 173.275,191.475 174.225,192.425 174.225,198.086 175.284,199.145 191.059,199.145 192.692,200.778 196.317,200.778 197.205,201.666 197.205,209.057 197.745,209.597 197.92,209.597 198.084,209.76 v2(198.103,209.76) ; v2(225.491,215.015) IC4.R2@225.991,215.515
  SignalLayer1 w0.115: v2(198.103,209.76) 198.148,209.715 198.261,209.715 198.288,209.688 198.475,209.688 198.542,209.755 198.542,210.014 199.295,210.767 206.849,210.767 207.042,210.574 207.359,210.574 207.577,210.792 216.633,210.792 218.15,212.31 220.303,212.31 221.139,213.146 223.251,213.146 223.836,213.731 224.427,213.731 224.758,214.062 224.758,214.287 225.189,214.718 225.393,214.718 225.46,214.785 225.46,214.984 v2(225.491,215.015)
EXT0.LVDS_N2: IC4.U1 J9.9 | length 79.1
  TopLayer w0.095: J9.9@169.346,185.928 170.498,187.081 170.577,187.081 170.697,186.961 170.958,186.961 170.977,186.98 173.191,186.98 174.3,188.089 174.3,190.5 176.3,192.5 176.3,193.381 180.399,197.48 191.505,197.48 192.958,198.933 197.412,198.933 199.077,200.597 200.3,200.597 ccw(c200.3,201.092) 200.795,201.092 200.795,201.156 cw(c201.069,201.156) 201.069,201.431 cw(c201.069,201.156) 201.344,201.156 201.344,200.259 ccw(c201.838,200.259) 201.838,199.764 ccw(c201.838,200.259) 202.333,200.259 202.333,201.156 cw(c202.607,201.156) 202.607,201.431 cw(c202.607,201.156) 202.882,201.156 202.882,200.259 ccw(c203.376,200.259) 203.376,199.764 ccw(c203.376,200.259) 203.871,200.259 203.871,201.156 cw(c204.145,201.156) 204.145,201.431 cw(c204.145,201.156) 204.42,201.156 204.42,200.259 ccw(c204.914,200.259) 204.914,199.764 ccw(c204.914,200.259) 205.409,200.259 205.409,201.156 cw(c205.683,201.156) 205.683,201.431 cw(c205.683,201.156) 205.958,201.156 205.958,201.092 ccw(c206.452,201.092) 206.452,200.597 207.247,200.597 212.6,205.95 216.511,205.95 218.816,208.255 220.291,208.255 220.419,208.384 221.544,209.509 221.544,210.78 224.514,213.75 224.756,213.75 IC4.U1@224.991,213.515
EXT0.LVDS_N3: IC4.V2 J9.12 | length 81.9
  TopLayer w0.095: J9.12@171.886,183.388 170.781,183.388 170.726,183.444 170.726,184.276 171.08,184.63 174.046,184.63 175.7,186.284 175.7,190.025 180.375,194.7 186.245,194.7 187.587,196.042 191.717,196.042 193.058,197.383 198.276,197.383 199.622,198.73 208.291,198.73 209.23,199.669 cw(c209.425,199.475) 209.619,199.669 209.664,199.624 ccw(c210.014,199.973) 210.364,199.624 ccw(c210.014,199.973) 210.508,199.973 ccw(c210.014,199.973) 210.364,200.323 209.729,200.958 cw(c209.923,201.152) 209.729,201.346 ; 209.729,201.347 cw(c209.923,201.152) 210.117,201.346 210.752,200.711 ccw(c211.101,201.061) 211.451,200.711 ccw(c211.101,201.061) 211.596,201.061 ccw(c211.101,201.061) 211.451,201.411 210.816,202.045 cw(c211.01,202.24) 210.816,202.433 ; 210.816,202.434 cw(c211.01,202.24) 211.204,202.434 211.839,201.799 ccw(c212.189,202.148) 212.539,201.799 ccw(c212.189,202.148) 212.683,202.148 ccw(c212.189,202.148) 212.539,202.498 211.904,203.133 cw(c212.098,203.327) 211.903,203.521 cw(c212.098,203.327) 212.292,203.521 212.927,202.886 ccw(c213.276,203.236) 213.626,202.886 ccw(c213.276,203.236) 213.771,203.236 ccw(c213.276,203.236) 213.626,203.586 213.58,203.631 cw(c213.775,203.825) 213.581,204.019 213.756,204.194 216.694,204.194 219.38,206.88 221.061,206.88 221.469,207.289 221.469,207.937 222.834,209.301 222.834,211.019 223.755,211.941 224.719,212.905 224.931,212.905 225.601,212.905 IC4.V2@225.991,212.515
EXT0.LVDS_N4: IC4.Y1 J9.15 | length 82.1
  TopLayer w0.095: J9.15@169.346,178.308 170.498,179.461 170.577,179.461 170.697,179.341 172.432,179.341 173.258,180.167 ccw(c172.908,180.517) 173.403,180.517 ccw(c172.908,180.517) 173.258,180.866 173.213,180.912 cw(c173.407,181.106) 173.213,181.3 cw(c173.407,181.106) 173.601,181.3 174.236,180.665 ccw(c174.585,181.015) 174.935,180.665 ccw(c174.585,181.015) 175.08,181.015 ccw(c174.585,181.015) 174.935,181.364 174.3,181.999 cw(c174.494,182.193) 174.3,182.387 cw(c174.494,182.193) 174.688,182.388 175.323,181.753 ccw(c175.673,182.102) 176.022,181.753 ccw(c175.673,182.102) 176.167,182.102 ccw(c175.673,182.102) 176.022,182.452 175.388,183.087 cw(c175.582,183.281) 175.387,183.475 ; 175.388,183.475 cw(c175.582,183.281) 175.776,183.475 176.411,182.84 ccw(c176.76,183.19) 177.11,182.84 ccw(c176.76,183.19) 177.255,183.19 ccw(c176.76,183.19) 177.11,183.54 177.031,183.618 cw(c177.192,183.779) 177.031,183.94 177.175,184.084 177.175,184.287 ccw(c176.68,184.287) 176.68,184.781 176.616,184.781 cw(c176.616,185.056) 176.342,185.056 cw(c176.616,185.056) 176.616,185.33 176.68,185.33 ccw(c176.68,185.825) 177.175,185.825 177.175,188.575 180.81,192.21 186.372,192.21 188.878,194.716 198.276,194.716 200.774,197.214 210.025,197.214 215.436,202.625 217.386,202.625 220.786,206.025 221.615,206.025 222.269,206.679 ; IC4.Y1@224.991,210.515 224.601,210.905 224.419,210.905 223.651,210.136 223.651,208.924 223.007,208.28 223.007,207.417 222.334,206.744 ; 222.269,206.679 222.334,206.744 ; 222.269,206.679 222.334,206.744
EXT0.LVDS_N5: IC4.Y2 J9.18 | length 81.3
  TopLayer w0.095: J9.18@171.886,175.768 170.781,175.768 170.726,175.824 170.726,176.526 171.255,177.055 174.996,177.055 178.55,180.609 178.55,187.335 180.956,189.74 186.671,189.74 189.107,192.176 197.988,192.176 200.511,194.7 210.161,194.7 213.462,198.001 ccw(c213.112,198.35) 213.607,198.35 ccw(c213.112,198.35) 213.462,198.7 213.416,198.745 cw(c213.61,198.94) 213.416,199.133 cw(c213.61,198.94) 213.804,199.134 214.439,198.499 ccw(c214.789,198.848) 215.139,198.499 ccw(c214.789,198.848) 215.283,198.848 ccw(c214.789,198.848) 215.139,199.198 214.504,199.833 cw(c214.698,200.027) 214.503,200.221 ; 214.504,200.221 cw(c214.698,200.027) 214.892,200.221 215.527,199.586 ccw(c215.876,199.936) 216.226,199.586 ccw(c215.876,199.936) 216.371,199.936 ccw(c215.876,199.936) 216.226,200.286 216.18,200.331 cw(c216.375,200.525) 216.181,200.719 216.436,200.975 217.861,200.975 223.742,206.856 223.871,206.985 223.871,207.645 224.413,208.187 224.413,209.483 224.839,209.909 225.243,209.909 225.802,210.468 225.944,210.468 IC4.Y2@225.991,210.515
EXT0.LVDS_N6: IC4.AB1 J9.21 | length 78.2
  TopLayer w0.095: J9.21@169.346,170.688 170.498,171.841 170.498,171.92 170.378,172.04 170.378,172.578 170.505,172.705 170.505,173.941 171.214,174.65 175.98,174.65 179.78,178.45 179.78,183.806 180.734,184.76 184.63,184.76 189.71,189.84 198.422,189.84 200.953,192.371 209.771,192.371 216.77,199.37 219.675,199.37 224.125,203.82 224.125,205.85 224.548,206.273 224.548,207.059 225.098,207.61 225.098,208.111 224.991,208.218 IC4.AB1@224.991,208.515 IC4.AB1@224.944,208.563
EXT0.LVDS_N7: IC4.AA4 J9.24 | length 81.3
  TopLayer w0.095: J9.24@171.886,168.148 170.781,168.148 170.726,168.204 170.726,169.101 171.03,169.405 173.316,169.405 180.831,176.92 184.594,176.92 192.205,184.531 198.642,184.531 201.191,187.08 209.791,187.08 217.36,194.649 222.11,194.649 222.685,195.225 222.685,196.449 226.45,200.214 226.45,204.55 226.982,205.082 226.982,206.16 227.598,206.775 227.598,209.121 IC4.AA4@227.991,209.515
EXT0.LVDS_P0: IC4.R4 J9.2 | length 81.5
  TopLayer w0.095: v2(227.491,215.015) IC4.R4@227.991,215.515
  MidLayer2 w0.115: J9.2@171.886,196.088 170.746,194.949 170.746,194.853 170.814,194.786 171.225,194.786 171.329,194.891 172.891,194.891 174.14,196.14 174.14,200.345 176.03,202.235 177.303,202.235 cw(c177.303,201.792) 177.745,201.792 177.745,201.503 ccw(c177.953,201.503) 178.16,201.503 178.16,202.731 cw(c178.603,202.731) 179.045,202.731 179.045,201.503 ccw(c179.253,201.503) 179.46,201.503 179.46,202.731 cw(c179.903,202.731) 180.345,202.731 180.345,201.503 ccw(c180.553,201.503) 180.76,201.503 180.76,202.731 cw(c181.203,202.731) 181.645,202.731 181.645,201.503 ccw(c181.853,201.503) 182.06,201.503 182.06,201.792 cw(c182.503,201.792) 182.503,202.235 202.776,202.235 203.792,203.251 208.002,203.251 208.358,203.606 ; 208.289,203.538 213.987,209.236 220.938,209.236 221.473,209.771 221.473,210.349 224.823,213.699 225.611,213.699 225.862,213.95 225.862,214.241 226.224,214.603 226.688,214.603 226.718,214.632 227.109,214.632 v2(227.491,215.015)
EXT0.LVDS_P1: IC4.R3 J9.5 | length 78.4
  TopLayer w0.095: J9.5@169.346,191.008 170.45,191.008 170.506,190.952 170.506,190.381 171.307,189.58 172.741,189.58 173.495,190.334 173.495,191.384 174.445,192.334 174.445,197.995 175.375,198.925 191.15,198.925 192.783,200.558 196.408,200.558 197.425,201.575 197.425,208.966 197.836,209.377 197.97,209.377 198.087,209.26 v2(198.153,209.26) ; v2(226.53,214.985) 226.53,215.053 IC4.R3@226.991,215.515
  SignalLayer1 w0.1: v2(198.153,209.26) 198.171,209.26 198.337,209.426
  SignalLayer1 w0.115: v2(198.153,209.26) 198.153,209.268 198.338,209.453 198.572,209.453 198.777,209.658 198.777,209.917 199.392,210.532 206.752,210.532 206.945,210.339 207.456,210.339 207.675,210.557 216.73,210.557 218.248,212.075 220.4,212.075 221.237,212.911 223.348,212.911 223.933,213.496 224.524,213.496 224.993,213.965 224.993,214.19 225.286,214.483 225.674,214.483 226.191,215 226.515,215 v2(226.53,214.985)
EXT0.LVDS_P2: IC4.T1 J9.8 | length 79.2
  TopLayer w0.095: J9.8@171.886,188.468 170.733,187.315 170.733,187.236 170.788,187.181 170.867,187.181 170.886,187.2 173.1,187.2 174.08,188.18 174.08,190.591 176.08,192.591 176.08,193.472 180.308,197.7 191.414,197.7 192.867,199.153 197.321,199.153 198.986,200.817 200.3,200.817 ccw(c200.3,201.092) 200.575,201.092 200.575,201.156 cw(c201.069,201.156) 201.069,201.651 cw(c201.069,201.156) 201.564,201.156 201.564,200.259 ccw(c201.838,200.259) 201.838,199.984 ccw(c201.838,200.259) 202.113,200.259 202.113,201.156 cw(c202.607,201.156) 202.607,201.651 cw(c202.607,201.156) 203.102,201.156 203.102,200.259 ccw(c203.376,200.259) 203.376,199.984 ccw(c203.376,200.259) 203.651,200.259 203.651,201.156 cw(c204.145,201.156) 204.145,201.651 cw(c204.145,201.156) 204.64,201.156 204.64,200.259 ccw(c204.914,200.259) 204.914,199.984 ccw(c204.914,200.259) 205.189,200.259 205.189,201.156 cw(c205.683,201.156) 205.683,201.651 cw(c205.683,201.156) 206.178,201.156 206.178,201.092 ccw(c206.452,201.092) 206.452,200.817 207.156,200.817 212.509,206.17 216.42,206.17 218.725,208.475 220.199,208.475 221.324,209.6 221.324,210.871 224.116,213.663 224.423,213.97 224.785,213.97 224.991,214.176 IC4.T1@224.991,214.515